# Altium PCB BaseBoard.PcbDoc (part 2 of 3) (continued)
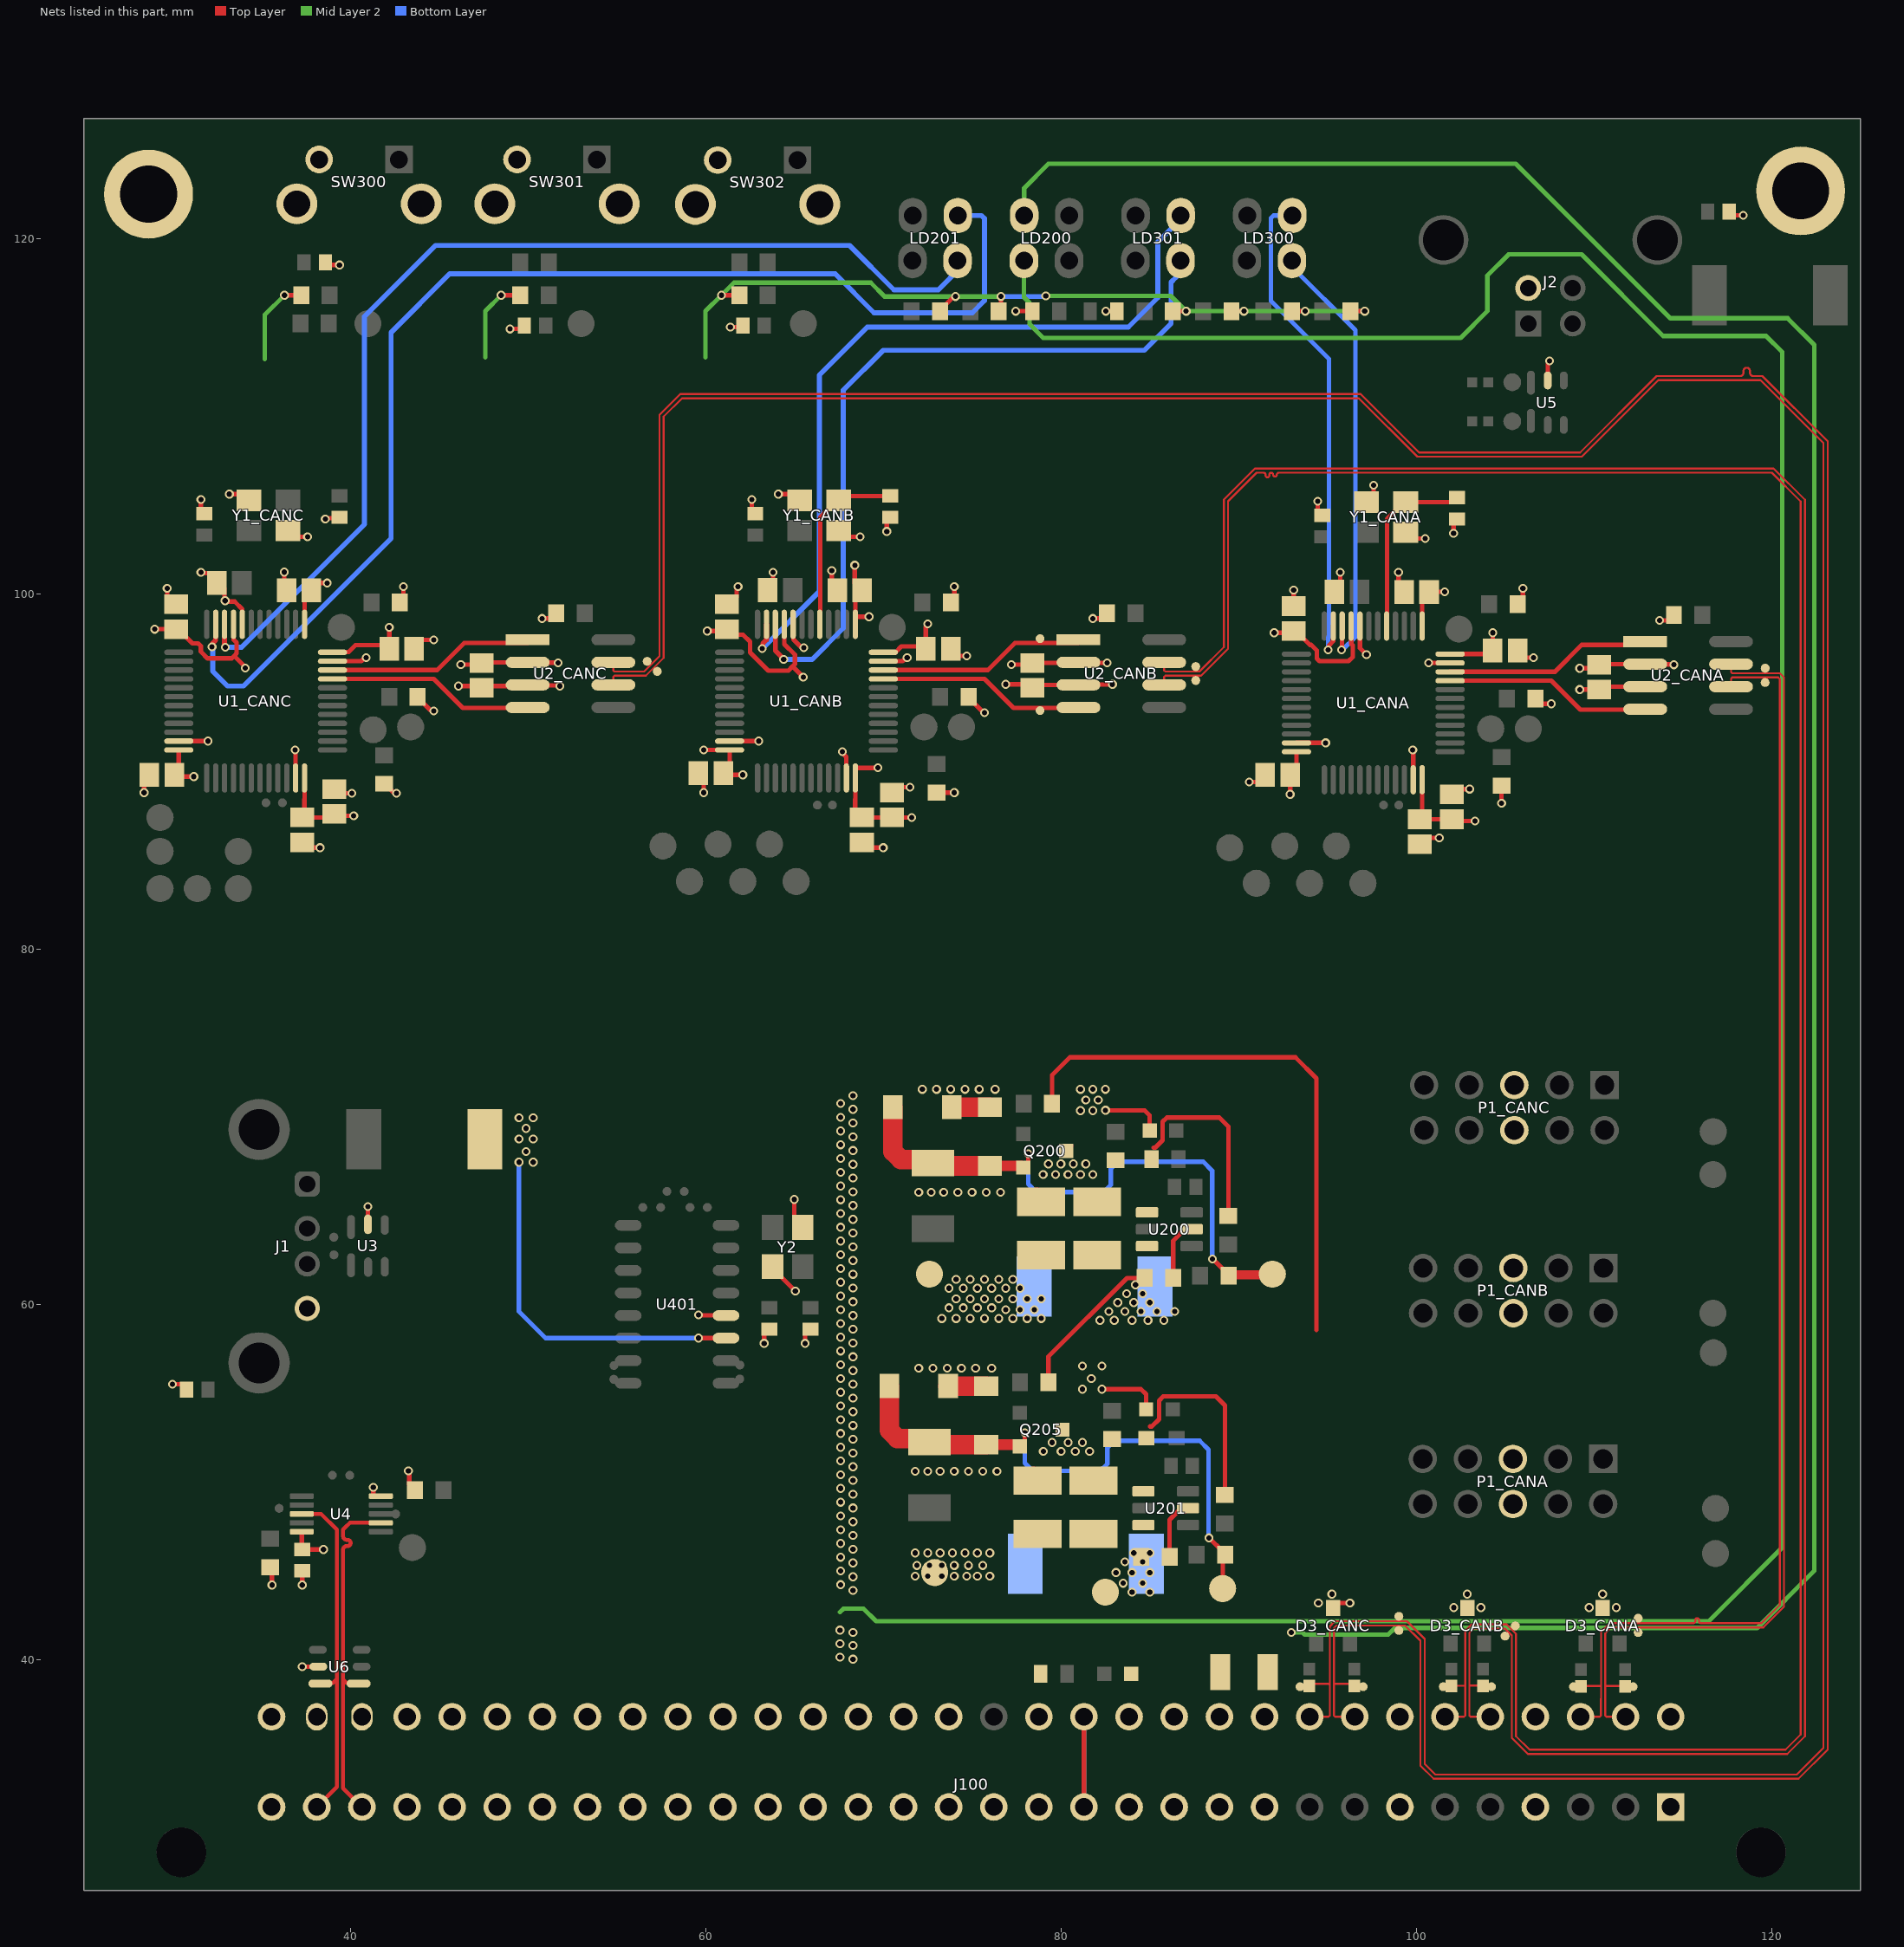
[diagram p4: the nets of this part, all layers, seen from the top]
## Part data (continued)
Y2: library part CMP-18717-000311-1, "Crystal", Case/Package=SMD/SMT, ESR (Equivalent Series Resistance)=100R, Frequency Stability=10ppm, Load Capacitance=10pF, Max Operating Temperature=70°C, Min Operating Temperature=-20°C, Package Quantity=3000, Depth=2.5mm, Frequency=12MHz, Frequency Tolerance=10ppm, Height=0.031inch, Length=3.2mm, Mount="Surface Mount", Number of Pins=4, Packaging="Tape and Reel", REACH SVHC="No SVHC", RoHS Compliant=Yes, Series=7M, Termination=SMD/SMT, Tolerance=10ppm, Width=0.098inch

## Free pads (board coordinates)
  round 5 hole 3.2: 7(28.656,122.49) 7(121.64,122.667)
  round 0.5 smd: 8(35.262,88.229) 8(36.004,48.514) 8(36.186,88.229) 8(39,50.379) 8(39.079,63.778) 8(39.088,62.782) 8(39.975,50.372) 8(42.561,48.193) 8(54.837,55.777) 8(54.843,56.551) 8(56.471,65.453) 8(56.716,96.19) 8(57.282,95.626) 8(57.472,65.453) 8(57.828,66.355) 8(58.802,66.348) 8(59.126,65.453) 8(60.102,65.453) 8(61.927,55.797) 8(61.931,56.58) 8(66.296,88.102) 8(67.145,88.102) 8(78.827,93.42) 8(78.827,97.47) 8(87.589,95.113) 8(87.589,95.895) 8(93.46,38.474) 8(97.01,38.474) 8(98.16,88.099) 8(99.017,88.099) 8(99.021,41.642) 8(99.021,42.433) 8(101.518,38.474) 8(104.232,38.474) 8(104.998,41.324) 8(105.574,41.9) 8(108.843,38.474) 8(112.199,38.474) 8(112.487,41.523) 8(112.487,42.326) 8(119.632,95) 8(119.637,95.803)

## Via types
v1: diameter 0.5, hole 0.3, Top Layer to Bottom Layer, tented both sides, 392 vias
v2: diameter 0.5, hole 0.3, Top Layer to Bottom Layer, 14 vias

## Nets (pads, with @x,y where several pads share a name; then routed paths per layer and width w, separated by ;. In a path a pad name is that pad's centre, name@x,y a point inside that pad or via, vN(x,y) a via of type N, cw(c..) or ccw(c..) an arc to the next point about the centre after c; other vN are vias at no path point)
3,3V: C4_CANA.2 C4_CANB.2 C4_CANC.2 C5_CANA.2 C5_CANB.2 C5_CANC.2 C6_CANA.2 C6_CANB.2 C6_CANC.2 C7_CANA.2 C7_CANB.2 C7_CANC.2 C8_CANA.2 C8_CANB.2 C8_CANC.2 C9_CANA.2 C9_CANB.2 C9_CANC.2 C10_CANA.2 C10_CANB.2 C10_CANC.2 D202.2 Q205.3 R1_CANA.1 R1_CANB.1 R1_CANC.1 R2_CANA.1 R2_CANB.1 R2_CANC.1 R211.1 R212.1 R302.2 R303.2 R304.2 R309.1 R310.1 R311.1 R312.1 U1_CANA.1 U1_CANA.9 U1_CANA.24 U1_CANA.36 U1_CANA.48 U1_CANB.1 U1_CANB.9 U1_CANB.24 U1_CANB.36 U1_CANB.48 U1_CANC.1 U1_CANC.9 U1_CANC.24 U1_CANC.36 U1_CANC.48 U2_CANA.3 U2_CANB.3 U2_CANC.3 | length 157.7
  Top Layer w0.254: v1(29,98) C8_CANC.2@30.2,98 30.325,98 31.127,97.198 31.444,97.198 31.592,97.049 31.592,96.741 31.977,96.356 33.331,96.356 33.47,96.495 ; C5_CANC.2@30,89.9 30.355,90.255 U1_CANC.24@30.355,91.201 ; C5_CANC.2@30.1,89.8 30.2,89.7 v1(31.2,89.7) ; U1_CANC.9@33.439,98.267 33.439,97.419 33.453,97.405 33.453,97.403 33.609,97.247 33.609,96.634 33.47,96.495 ; v1(34.093,95.807) 34.093,95.873 33.47,96.495 ; v1(36.3,116.8) 37.243,116.8 R302.2@37.247,116.805 ; C9_CANC.2@37.3,87.4 39.1,87.4 39.2,87.5 v1(40.2,87.5) ; C9_CANC.2@37.425,87.525 37.425,88.407 37.43,88.412 U1_CANC.36@37.43,89.626 ; U1_CANC.1@37.43,98.276 C7_CANC.2@37.43,100.23 ; C7_CANC.2@37.82,99.788 C7_CANC.2@37.99,99.958 ; C7_CANC.2@37.82,100.188 38.231,100.6 v1(38.7,100.6) ; U1_CANC.48@39.005,96.701 39.014,96.709 39.908,96.709 40.299,97.1 42,97.1 C6_CANC.2@42.2,96.9 v1(42.2,98.1) ; R1_CANC.1@41.9,89.3 41.95,89.3 42.434,88.816 42.563,88.816 v1(42.61,88.769) ; R2_CANC.1@43.8,94.2 43.8,94.15 44.503,93.447 44.653,93.447 v1(44.7,93.4) ; v1(46.1,94.8) 49.986,94.8 50.019,94.833 51.768,94.833 v1(51.8,94.8) ; v1(48.5,116.8) R303.2@49.5,116.8 ; v1(59.9,91.2) 61.355,91.2 61.355,90.255 C4_CANB.2@61,89.9 61.1,89.8 v1(62.1,89.8) ; v1(60.1,97.9) 61.1,97.9 C8_CANB.2@61.2,98 61.507,97.693 62.107,97.693 62.507,97.293 62.507,96.693 62.556,96.644 62.926,96.273 ; v1(60.9,116.8) 61.9,116.8 R304.2@61.905,116.805 ; 62.927,96.273 63.531,95.669 64.661,95.669 64.846,95.854 ; U1_CANB.9@64.43,98.276 64.439,98.267 64.439,97.154 65.031,96.561 65.031,96.039 64.846,95.854 ; v1(65.5,95.3) 64.946,95.854 64.846,95.854 ; C9_CANB.2@68.3,87.4 70.1,87.4 v1(71.6,87.4) ; v1(68.4,101.6) 68.4,100.608 C7_CANB.2@68.82,100.188 ; C9_CANB.2@68.425,87.525 68.425,88.407 68.43,88.412 U1_CANB.36@68.43,89.626 68.43,90.166 68.451,90.187 69.687,90.187 v1(69.7,90.2) ; U1_CANB.1@68.43,98.276 U1_CANB.1@68.43,98.679 ; C7_CANB.2@68.43,100.23 U1_CANB.1@68.43,98.679 ; C7_CANB.2@68.82,99.788 C7_CANB.2@68.99,99.958 ; v1(69.2,98.7) 68.451,98.7 U1_CANB.1@68.43,98.679 ; U1_CANB.48@70.005,96.701 70.692,96.701 71.023,97.031 72.269,97.031 C6_CANB.2@72.4,96.9 72.4,98.133 72.5,98.233 v1(72.5,98.3) ; R1_CANB.1@73,88.803 v1(74,88.803) ; R212.1@73.2,115.9 73.2,115.95 73.931,116.681 74.02,116.681 v1(74.067,116.728) ; R2_CANB.1@74.8,94.2 74.8,94.15 75.65,93.3 v1(75.7,93.3) ; R211.1@76.5,115.9 76.628,116.028 v1(76.628,116.728) ; v1(76.896,94.9) 78.2,94.9 C10_CANB.2@78.4,94.7 ; C10_CANB.2@78.6,94.7 78.765,94.865 U2_CANB.3@80.986,94.865 81.004,94.883 82.882,94.883 v1(82.9,94.9) ; Q205.3@80.091,52.942 Q205.3@80.364,53.215 ; v1(82.31,55.219) 84.51,55.219 84.796,54.934 D202.2@84.796,54.085 ; R312.1@86.3,115.9 v1(87.046,115.9) ; R311.1@89.6,115.9 v1(90.3,115.9) ; v1(92,97.8) 93,97.8 C8_CANA.2@93.1,97.9 93.225,97.9 94.007,97.118 94.087,97.118 94.407,96.798 94.407,96.349 94.556,96.2 96.19,96.2 96.422,96.432 96.422,97.092 96.339,97.176 96.339,98.167 U1_CANA.9@96.33,98.176 ; v1(92.9,88.7) C4_CANA.2@92.9,89.8 93.255,90.155 U1_CANA.24@93.255,91.101 ; R309.1@93,115.9 v1(93.746,115.9) ; R310.1@96.3,115.9 v1(97.1,115.9) ; C9_CANA.2@100.2,87.3 C5_CANA.2@102,87.3 102.1,87.2 v1(103.3,87.2) ; C9_CANA.2@100.325,87.425 100.325,88.307 100.33,88.312 U1_CANA.36@100.33,89.526 ; U1_CANA.1@100.33,98.176 C7_CANA.2@100.33,100.13 ; C7_CANA.2@100.72,99.688 C7_CANA.2@100.89,99.858 ; C7_CANA.2@100.72,100.088 100.731,100.1 v1(101.6,100.1) ; U1_CANA.48@101.905,96.601 104.101,96.601 C6_CANA.2@104.3,96.8 v1(104.3,97.8) ; v1(104.8,88.2) R1_CANA.1@104.8,89.2 ; R2_CANA.1@106.7,94.1 107,93.8 v1(107.6,93.8) ; v1(109.2,94.6) C10_CANA.2@110.3,94.6 ; C10_CANA.2@110.5,94.6 110.665,94.765 U2_CANA.3@112.886,94.765
  Mid Layer 2 w0.254: 35.2,113.2 35.2,115.7 v1(36.3,116.8) ; 47.6,113.3 47.6,115.9 v1(48.5,116.8) ; 60,113.3 60,115.9 v1(60.9,116.8) 61.6,117.5 69.3,117.5 70.072,116.728 v1(74.067,116.728) v1(76.628,116.728) ; v1(79.15,116.763) 86.183,116.763 v1(87.046,115.9) v1(90.3,115.9) v1(93.746,115.9) v1(97.1,115.9)
  Bottom Layer w0.254: v1(76.628,116.728) 79.115,116.728 v1(79.15,116.763)
  other v1: 79.01,51.719 80.01,51.719 80.81,51.719 81.61,51.719 79.51,52.219 80.41,52.219 81.21,52.219 81.21,55.219 81.71,55.819 81.21,56.519 82.31,56.519
3v3_FILT: C208.1 C209.1 L201.2 Q205.2 R214.2 TP202.1 | length 32.5
  Top Layer w0.254: Q205.2@77.591,52.092 77.791,52.092 77.964,52.265 v1(77.964,52.773) ; v1(88.326,46.851) 88.346,46.851 89.11,46.086 TP202.1@89.11,44 ; R214.2@89.241,45.805 R214.2@89.556,46.119
  Top Layer w0.6: C209.1@75.8,52.092 Q205.2@77.591,52.092
  Top Layer w1.1: C208.1@70.35,55.4 70.35,52.894 70.794,52.45 72.4,52.45 L201.2@72.6,52.25 ; L201.2@73.358,52.092 C209.1@75.8,52.092
  Bottom Layer w0.254: v1(77.964,52.773) 77.964,51.065 78.41,50.619 82.21,50.619 82.61,51.019 82.61,51.919 83.01,52.319 87.81,52.319 88.31,51.819 88.31,46.867 v1(88.326,46.851)
3v3_VIN: C206.2 C207.2 D204.1 TP204.1 U201.3
  other v1: 71.8,44.7 72.5,44.7 73.3,44.7 74,44.7 74.7,44.7 75.3,44.7 76,44.7 71.9,45.3 72.6,45.3 73.3,45.3 74,45.3 74.8,45.3 75.6,45.3 71.8,46 72.5,46 73.2,46 73.9,46 74.6,46 75.3,46 76,46
5v: C15.2 D1.2 D201.2 LD200.3 Q200.3 U4.10 U401.11 | length 201.2
  Top Layer w0.254: U4.10@36.75,47.2 U4.10@37.021,47.2 ; C15.2@37.2,46.2 37.275,46.275 U4.10@37.275,47.2 ; C15.2@37.3,46.2 v1(38.5,46.2) ; v1(59.6,58.1) 59.605,58.095 U401.11@61.15,58.095 ; Q200.3@80.291,68.642 Q200.3@80.564,68.915 ; v1(82.51,70.919) 84.71,70.919 84.996,70.634 D201.2@84.996,69.785
  Mid Layer 2 w0.254: 67.564,42.672 67.766,42.874 68.886,42.874 69.596,42.164 116.464,42.164 120.6,46.3 120.6,113.6 119.7,114.5 113.9,114.5 109.3,119.1 105.2,119.1 104,117.9 104,115.9 102.5,114.4 79,114.4 78.231,115.169 78.231,116.369 77.92,116.68 LD200.3@77.92,118.746
  Bottom Layer w0.254: v1(49.5,68) 49.5,59.6 51,58.1 v1(59.6,58.1)
  other v1: 79,67.3 79.7,67.3 80.4,67.3 81.1,67.3 81.8,67.3 79.3,67.9 80,67.9 80.7,67.9 81.4,67.9 50.3,68 49.9,68.6 49.5,69.3 50.3,69.3 49.9,69.9 49.5,70.5 50.3,70.5 81.1,70.9 81.8,70.9 81.4,71.5 82.1,71.5 81.1,72.1 81.8,72.1 82.5,72.1
5v_FILT: C203.1 C204.1 L200.2 Q200.2 R201.2 TP201.1 | length 32.5
  Top Layer w0.254: Q200.2@77.791,67.792 77.991,67.792 78.164,67.965 v1(78.164,68.473) ; v1(88.526,62.551) 88.546,62.551 R201.2@89.31,61.786
  Top Layer w0.5: R201.2@89.441,61.505 89.589,61.652 91.852,61.652 TP201.1@91.9,61.7
  Top Layer w0.6: C204.1@76,67.792 Q200.2@77.791,67.792
  Top Layer w1.1: C203.1@70.55,71.1 70.55,68.594 70.994,68.15 72.6,68.15 L200.2@72.8,67.95 ; L200.2@73.558,67.792 C204.1@76,67.792
  Bottom Layer w0.254: v1(78.164,68.473) 78.164,66.765 78.61,66.319 82.41,66.319 82.81,66.719 82.81,67.619 83.21,68.019 88.01,68.019 88.51,67.519 88.51,62.567 v1(88.526,62.551)
5v_VIN: C201.2 C202.2 D203.1 TP200.1 U200.3
  other v1: 73.3,59.2 74.1,59.2 74.9,59.2 75.7,59.2 76.5,59.2 77.3,59.2 78.1,59.2 78.9,59.2 76.9,59.7 77.7,59.7 78.5,59.7 73.7,59.8 74.5,59.8 75.3,59.8 76.1,59.8 74.1,60.3 74.9,60.3 75.7,60.3 76.5,60.3 77.3,60.3 78.1,60.3 78.9,60.3 73.7,60.9 74.5,60.9 75.3,60.9 76.1,60.9 76.9,60.9 77.7,60.9 74.1,61.4 74.9,61.4 75.7,61.4 76.5,61.4 77.3,61.4
12V_FUSED: D200.2 D203.2 D204.2 F200.2 LD200.1 R200.2 R203.1 R213.2 R216.1 TP203.1 | length 191
  Top Layer w0.254: R216.1@79.3,55.6 79.3,57.062 83.717,61.479 R200.2@84.717,61.479 ; R203.1@79.5,71.3 79.5,72.9 80.5,73.9 93.2,73.9 94.376,72.724 94.376,58.55
  Mid Layer 2 w0.254: LD200.1@77.936,121.286 77.936,122.836 79.3,124.2 105.6,124.2 114.3,115.5 120.9,115.5 122.4,114 122.4,45 119.179,41.779 98.799,41.779 98.42,41.4 93.722,41.4 93.595,41.527 92.97,41.527 v1(92.964,41.533)
  other v1: 84,43.8 85,43.8 83.5,44.3 84.6,44.3 83.1,44.9 84,44.9 85,44.9 83.6,45.5 84.6,45.5 84.1,46 85,46 82.2,59.1 83,59.1 84,59.1 84.9,59.1 85.8,59.1 82.7,59.6 83.6,59.6 84.5,59.6 85.4,59.6 86.4,59.6 83.2,60.1 84.1,60.1 85,60.1 83.7,60.6 84.6,60.6 84.2,61.1
12V_UNPROTECTED: F200.1 J100.A11 J100.A12 J100.C11 J100.C12 | length 0.2
  Bottom Layer w1.27: J100.C12@86.38,36.78 J100.C12@86.456,36.78 ; J100.C11@88.92,36.78 J100.C11@88.92,36.856
24V_UNPROTECTED: J100.A14 J100.C14 | length 10.2
  Top Layer w0.254: J100.A14@81.3,31.7 J100.C14@81.3,36.78
  Bottom Layer w0.254: J100.A14@81.3,31.7 J100.C14@81.3,36.78
CAN1_N: J100.C3 pad.8@108.843,38.474 pad.8@112.487,42.326 pad.8@119.632,95 R7_CANA.2 U2_CANA.6 | length 73.5
  Top Layer w0.11: J100.C3@109.24,36.78 110.327,36.78 110.391,36.845 110.391,37.791 110.397,37.796 110.397,38.514 ; R7_CANA.2@109.271,38.489 109.296,38.514 110.397,38.514 ; U2_CANA.6@117.714,94.765 117.714,95.217 117.778,95.281 120.365,95.281 120.457,95.189 120.457,43.074 119.43,42.047 118.342,42.047 116.023,42.047 cw(c116.023,42.158) 115.913,42.158 115.913,42.228 ccw(c115.808,42.228) 115.808,42.334 ccw(c115.808,42.228) 115.703,42.228 115.703,42.158 cw(c115.592,42.158) 115.592,42.047 115.537,42.047 110.881,42.047 110.397,41.563 110.397,38.519 110.397,38.514
CAN1_P: J100.C2 pad.8@112.199,38.474 pad.8@112.487,41.523 pad.8@119.637,95.803 R6_CANA.2 U2_CANA.7 | length 73.5
  Top Layer w0.11: 110.64,38.514 111.735,38.514 R6_CANA.2@111.76,38.489 ; J100.C2@111.78,36.78 110.693,36.78 110.629,36.845 110.629,37.693 110.634,37.698 110.634,41.464 110.98,41.81 119.529,41.81 120.694,42.975 120.694,95.288 120.463,95.519 117.778,95.519 117.714,95.583 U2_CANA.7@117.714,96.035
CAN1_RX_CANA: U1_CANA.45 U2_CANA.4 | length 11.7
  Top Layer w0.254: U1_CANA.45@101.905,95.101 107.599,95.101 109.232,93.468 U2_CANA.4@112.886,93.468
CAN1_RX_CANB: pad.8@78.827,93.42 U1_CANB.45 U2_CANB.4 | length 11.7
  Top Layer w0.254: U1_CANB.45@70.005,95.201 75.699,95.201 77.332,93.568 U2_CANB.4@80.986,93.568
CAN1_RX_CANC: U1_CANC.45 U2_CANC.4 | length 11.7
  Top Layer w0.254: U1_CANC.45@39.005,95.201 44.699,95.201 46.332,93.568 U2_CANC.4@49.986,93.568
CAN1_TX_CANA: U1_CANA.46 U2_CANA.1 | length 11.6
  Top Layer w0.254: U1_CANA.46@101.905,95.601 107.801,95.601 109.321,97.121 U2_CANA.1@112.886,97.121
CAN1_TX_CANB: pad.8@78.827,97.47 U1_CANB.46 U2_CANB.1 | length 11.6
  Top Layer w0.254: U1_CANB.46@70.005,95.701 75.901,95.701 77.421,97.221 U2_CANB.1@80.986,97.221
CAN1_TX_CANC: U1_CANC.46 U2_CANC.1 | length 11.6
  Top Layer w0.254: U1_CANC.46@39.005,95.701 44.901,95.701 46.421,97.221 U2_CANC.1@49.986,97.221
CAN2_N: J100.C6 pad.8@87.589,95.113 pad.8@101.518,38.474 pad.8@105.574,41.9 R7_CANB.2 U2_CANB.6 | length 150
  Top Layer w0.11: U2_CANB.6@85.814,94.865 85.814,95.317 85.878,95.381 87.888,95.381 89.408,96.901 89.408,105.201 91.014,106.807 91.143,106.807 91.409,106.807 cw(c91.409,106.697) 91.519,106.697 91.519,106.654 ccw(c91.624,106.654) 91.624,106.548 ccw(c91.624,106.654) 91.73,106.654 91.73,106.702 cw(c91.835,106.702) 91.835,106.807 cw(c91.835,106.702) 91.94,106.702 91.94,106.697 ccw(c92.045,106.697) 92.045,106.591 ccw(c92.045,106.697) 92.15,106.697 cw(c92.261,106.697) 92.261,106.807 93.198,106.807 120.015,106.807 121.636,105.186 121.636,35.784 120.778,34.926 106.375,34.926 105.611,35.69 105.611,41.455 105.086,41.98 103.112,41.98 102.751,41.619 102.751,38.529 ; J100.C6@101.62,36.78 102.687,36.78 102.751,36.845 102.751,37.249 102.751,38.529 ; R7_CANB.2@102.181,38.303 102.181,38.46 102.251,38.529 102.751,38.529
  Top Layer w0.127: U2_CANB.6@85.814,94.865 86.568,94.865 U2_CANB.6@86.797,95.094
CAN2_P: J100.C5 pad.8@87.589,95.895 pad.8@104.232,38.474 pad.8@104.998,41.324 R6_CANB.2 U2_CANB.7 | length 150
  Top Layer w0.11: U2_CANB.7@85.715,96.135 85.814,96.037 85.814,95.683 85.878,95.619 87.79,95.619 89.171,96.999 89.171,105.3 90.915,107.044 120.113,107.044 121.873,105.285 121.873,35.685 120.877,34.689 106.277,34.689 105.374,35.592 105.374,41.357 104.988,41.742 103.21,41.742 102.989,41.521 102.989,38.539 ; R6_CANB.2@103.489,38.219 103.759,38.489 R6_CANB.2@103.759,38.514 103.734,38.539 102.989,38.539 ; J100.C5@104.16,36.78 103.053,36.78 102.989,36.845 102.989,37.347 102.989,38.539
  Top Layer w0.127: U2_CANB.7@85.814,96.135 U2_CANB.7@86.568,96.135
CAN3_N: J100.C9 pad.8@57.282,95.626 pad.8@93.46,38.474 pad.8@99.021,42.433 R7_CANC.2 U2_CANC.6 | length 205.7
  Top Layer w0.11: U2_CANC.6@54.814,94.865 54.814,95.317 54.878,95.381 56.642,95.381 57.641,96.381 57.641,109.965 58.674,110.998 96.774,110.998 100.059,107.713 109.318,107.713 113.62,112.014 119.38,112.014 122.915,108.479 122.915,35.031 121.412,33.528 101.075,33.528 100.473,34.13 100.473,41.157 99.471,42.159 95.417,42.159 95.131,41.873 95.131,38.576 ; R7_CANC.2@93.98,38.641 95.067,38.641 95.131,38.576 ; J100.C9@94,36.78 95.067,36.78 95.131,36.845 95.131,37.191 95.131,38.576
  Top Layer w0.127: U2_CANC.6@54.814,94.865 U2_CANC.6@55.568,94.865 ; J100.C9@94,36.78 J100.C9@94.211,36.991
CAN3_P: J100.C8 pad.8@56.716,96.19 pad.8@97.01,38.474 pad.8@99.021,41.642 R6_CANC.2 U2_CANC.7 | length 205.7
  Top Layer w0.11: U2_CANC.7@54.814,96.135 54.814,95.683 54.878,95.619 56.544,95.619 57.404,96.479 57.404,110.064 58.576,111.235 96.872,111.235 100.158,107.95 109.22,107.95 113.521,112.251 115.57,112.251 118.232,112.251 ccw(c118.232,112.434) 118.414,112.434 118.414,112.535 cw(c118.596,112.535) 118.596,112.718 cw(c118.596,112.535) 118.778,112.535 118.778,112.434 ccw(c118.96,112.434) 118.96,112.251 119.38,112.251 119.478,112.251 123.152,108.578 123.152,34.932 121.51,33.291 100.977,33.291 100.236,34.032 100.236,41.059 99.373,41.922 95.516,41.922 95.369,41.775 95.369,38.576 ; R6_CANC.2@96.52,38.641 95.433,38.641 95.369,38.576 ; J100.C8@96.54,36.78 95.433,36.78 95.369,36.845 95.369,37.289 95.369,38.576
CANA_LED_RX: LD300.2 U1_CANA.11 | length 28.5
  Top Layer w0.254: LD300.2@93.017,121.286 LD300.2@93.074,121.343 ; v1(95.037,96.831) 95.084,96.878 95.084,97.08 95.321,97.317 95.321,98.167 U1_CANA.11@95.33,98.176
  Bottom Layer w0.254: LD300.2@93.017,121.286 91.968,121.286 91.819,121.137 91.819,116.481 95.087,113.213 95.087,97.589 95.037,97.539 v1(95.037,96.831)
CANA_LED_TX: LD300.4 U1_CANA.10 | length 25.3
  Top Layer w0.254: LD300.4@93,118.546 LD300.4@93,118.746 ; v1(95.791,96.831) 95.821,96.861 95.821,98.167 U1_CANA.10@95.83,98.176
  Bottom Layer w0.254: LD300.4@93,118.746 93,118.4 96.569,114.831 96.569,97.559 95.841,96.831 v1(95.791,96.831)
CANB_LED_RX: LD301.2 U1_CANB.11 | length 44.4
  Top Layer w0.254: LD301.2@86.744,121.286 LD301.2@86.744,121.486
  Top Layer w0.286: v1(63.187,96.904) 63.228,96.945 63.228,97.202 63.427,97.401 63.427,98.273 U1_CANB.11@63.43,98.276
  Bottom Layer w0.286: v1(63.187,96.904) 66.4,100.116 66.4,112.3 69.1,115 83.8,115 85.459,116.659 85.459,119.801 86.744,121.086 LD301.2@86.744,121.286
CANB_LED_TX: LD301.4 U1_CANB.10 | length 43.4
  Top Layer w0.286: U1_CANB.10@63.93,98.276 63.93,96.79 64.4,96.32 v1(64.4,96.3)
  Bottom Layer w0.286: v1(64.4,96.3) 66,96.3 67.753,98.053 67.753,111.453 70,113.7 84.7,113.7 86.2,115.2 86.2,117.528 86.476,117.805 86.476,118.495 LD301.4@86.728,118.746
CANC_LED_RX: LD201.2 U1_CANC.11 | length 70.1
  Top Layer w0.286: v1@32.265,97.213 32.427,97.375 32.427,98.273 U1_CANC.11@32.43,98.276
  Bottom Layer w0.286: v1(32.225,97.001) 32.265,96.96 32.265,95.635 33.1,94.8 34,94.8 42.3,103.1 42.3,114.7 45.6,118 67.3,118 69.486,115.814 75.014,115.814 75.7,116.5 75.7,121.118 75.532,121.286 LD201.2@74.2,121.286
CANC_LED_TX: LD201.4 U1_CANC.10 | length 60.8
  Top Layer w0.286: U1_CANC.10@32.93,98.276 32.933,98.273 32.933,97.091 32.978,97.045 v1(32.978,96.987)
  Bottom Layer w0.286: v1(32.978,96.987) 33.887,96.987 40.8,103.9 40.8,115.6 44.8,119.6 68.1,119.6 70.6,117.1 73.1,117.1 73.781,117.781 73.781,117.789 74.183,118.19 LD201.4@74.183,118.746
CARRIER_USB_IN_N: J100.A31 U4.8 U6.3 | length 19.6
  Top Layer w0.221: U4.8@37.275,48.2 38.363,48.2 39.251,47.312 39.251,38.921 ; J100.A31@38.12,31.7 39.251,32.831 39.251,38.921 ; U6.3@38.26,38.585 U6.3@38.325,38.65 38.369,38.694 39.024,38.694 39.251,38.921
CARRIER_USB_IN_P: J100.A30 U4.2 U6.4 | length 19.6
  Top Layer w0.221: U6.4@40.185,38.65 40.141,38.694 39.799,38.694 39.599,38.894 ; J100.A30@40.66,31.7 39.599,32.761 39.599,38.894 ; U4.2@41.725,47.7 39.978,47.7 39.768,47.49 39.599,47.32 39.599,46.957 ccw(c39.819,46.957) 39.819,46.736 39.858,46.736 cw(c39.858,46.566) 40.028,46.566 cw(c39.858,46.566) 39.858,46.395 39.819,46.395 ccw(c39.819,46.175) 39.599,46.175 39.599,45.724 39.599,38.894
EN_3V3: R213.1 U201.5 | length 3.2
  Top Layer w0.254: R213.1@86.117,45.779 86.117,47.873 86.599,48.355 U201.5@86.988,48.355
EN_5V: R200.1 U200.5 | length 3.2
  Top Layer w0.254: R200.1@86.317,61.479 86.317,63.573 86.799,64.055 U200.5@87.188,64.055
GND: C1_CANA.1 C1_CANB.1 C1_CANC.1 C2_CANA.2 C2_CANB.2 C2_CANC.2 C3_CANA.2 C3_CANB.2 C3_CANC.2 C4_CANA.1 C4_CANB.1 C4_CANC.1 C5_CANA.1 C5_CANB.1 C5_CANC.1 C6_CANA.1 C6_CANB.1 C6_CANC.1 C7_CANA.1 C7_CANB.1 C7_CANC.1 C8_CANA.1 C8_CANB.1 C8_CANC.1 C9_CANA.1 C9_CANB.1 C9_CANC.1 C10_CANA.1 C10_CANB.1 C10_CANC.1 C11.1 C12.1 C13.1 C14.1 C15.1 C201.1 C202.1 C203.2 C204.2 C206.1 C207.1 C208.2 C209.2 C309.2 C310.2 C311.2 D3_CANA.3 D3_CANB.3 D3_CANC.3 J1.4 J2.4 J100.A1 J100.A4 J100.A7 J100.A10 J100.A13 J100.A15 J100.A32 J100.C1 J100.C4 J100.C7 J100.C10 J100.C13 J100.C15 J100.C32 P1_CANA.5 P1_CANA.6 P1_CANB.5 P1_CANB.6 P1_CANC.5 P1_CANC.6 pad.7 R3_CANA.1 R3_CANB.1 R3_CANC.1 R4.1 R4_CANA.1 R4_CANB.1 R4_CANC.1 R5.1 R202.1 R206.1 R207.1 R208.1 R209.1 R210.1 R215.1 R217.2 R218.2 SW300.2 SW300.3 SW300.4 SW301.2 SW301.3 SW301.4 SW302.2 SW302.3 SW302.4 U1_CANA.8 U1_CANA.23 U1_CANA.35 U1_CANA.47 U1_CANB.8 U1_CANB.23 U1_CANB.35 U1_CANB.47 U1_CANC.8 U1_CANC.23 U1_CANC.35 U1_CANC.47 U2_CANA.2 U2_CANB.2 U2_CANC.2 U3.2 U4.5 U5.2 U6.2 U200.1 U201.1 U401.12 Y1_CANA.2 Y1_CANA.4 Y1_CANB.2 Y1_CANB.4 Y1_CANC.2 Y1_CANC.4 Y2.2 Y2.4 | length 129
  Top Layer w0.254: v1(28.4,88.8) 28.4,89.5 C5_CANC.1@28.7,89.8 ; v1(29.7,100.3) 29.7,99.823 30.123,99.4 C8_CANC.1@30.2,99.4 ; v1(30,55.5) 30.552,55.5 30.8,55.252 C13.1@30.8,55.2 ; U1_CANC.23@30.355,91.7 v1(32,91.7) ; v1(31.6,101.2) 31.667,101.2 31.719,101.148 32.077,101.148 32.923,100.302 32.923,99.642 v1(32.962,99.604) 33.009,99.557 33.498,99.557 33.921,99.134 33.921,98.284 U1_CANC.8@33.93,98.276 ; v1(31.6,105.3) 31.6,104.7 C3_CANC.2@31.8,104.5 ; v1(33.2,105.6) 33.95,105.6 Y1_CANC.2@34.3,105.25 ; R5.1@35.5,45.2 35.6,45.1 v1(35.6,44.2) ; v1(36.288,101.212) 36.288,100.32 C7_CANC.1@36.42,100.188 ; Y1_CANC.4@36.5,103.55 36.85,103.2 v1(37.6,103.2) ; v1(36.9,91.2) 36.921,91.179 36.921,89.634 U1_CANC.35@36.93,89.626 ; v2(37.3,39.6) 37.306,39.606 U6.2@38.209,39.606 ; v1(37.3,44.2) C15.1@37.3,45 ; C9_CANC.1@37.3,86 37.6,85.7 v1(38.3,85.7) ; v1(38.6,104.2) 38.647,104.247 39.253,104.247 39.3,104.2 C2_CANC.2@39.4,104.3 ; C309.2@38.61,118.659 38.769,118.5 v1(39.4,118.5) ; U1_CANC.47@39.005,96.201 40.634,96.201 40.833,96.4 v1(40.9,96.4) ; C4_CANC.1@39.1,89 39.331,88.769 v1(40.1,88.769) ; U3.2@41,64.5 v2(41,65.5) ; v2(41.3,49.7) 41.3,49.223 41.323,49.2 U4.5@41.725,49.2 ; R4_CANC.1@42.8,99.5 43,99.7 v1(43,100.4) ; v2(43.28,50.622) 43.28,50.555 43.331,50.504 43.331,49.853 R4.1@43.654,49.53 ; C6_CANC.1@43.6,96.9 43.6,96.977 44.023,97.4 v1(44.7,97.4) ; v1(46.228,96.012) 47.312,96.012 C10_CANC.1@47.4,96.1 47.435,96.135 U2_CANC.2@49.986,96.135 50.004,96.117 51.683,96.117 v1(51.7,96.1) ; v1(49,114.9) 49.6,114.9 C310.2@49.8,115.1 ; v2(50.8,98.6) 51.3,98.6 R3_CANC.1@51.6,98.9 ; v1(59.6,59.4) 59.617,59.383 61.133,59.383 U401.12@61.15,59.365 ; C4_CANB.1@59.6,89.9 59.9,89.6 v1(59.9,88.8) ; C8_CANB.1@61.2,99.4 61.325,99.4 61.748,99.823 61.748,100.25 61.831,100.333 v1(61.831,100.4) ; U1_CANB.23@61.355,91.7 v1(63,91.7) ; v1(61.4,115) 62,115 C311.2@62.1,115.1 ; v1(62.6,105.3) 62.6,104.7 C3_CANB.2@62.8,104.5 ; v2(63.3,57.8) 63.3,58.352 63.548,58.6 C12.1@63.6,58.6 ; C1_CANB.1@63.5,100.2 63.8,100.5 v1(63.8,101.2) ; Y2.4@63.773,62.127 63.773,62.027 65.053,60.747 v1(65.053,60.74) ; v1(64.1,105.6) 64.95,105.6 Y1_CANB.2@65.3,105.25 ; U1_CANB.8@64.93,98.276 64.939,98.267 64.939,97.417 65.355,97.001 65.478,97.001 v1(65.525,96.954) ; v2(65,65.9) 65,65.269 65,64.8 Y2.2@65.473,64.327 ; v1(65.6,57.8) 65.6,58.352 65.848,58.6 C11.1@65.9,58.6 ; v1(67.1,101.3) 67.1,100.508 C7_CANB.1@67.42,100.188 ; Y1_CANB.4@67.5,103.55 67.85,103.2 v1(68.7,103.2) ; v1(67.7,91.1) 67.7,91.033 67.921,90.812 67.921,89.634 U1_CANB.35@67.93,89.626 ; C9_CANB.1@68.5,86 68.8,85.7 v1(70,85.7) ; U1_CANB.47@70.005,96.201 70.014,96.209 71.089,96.209 71.279,96.4 v1(71.346,96.4) ; C5_CANB.1@70.1,88.8 70.4,89.1 v1(71.5,89.1) ; v1(70.2,103.5) 70.2,104.1 C2_CANB.2@70.4,104.3 ; C6_CANB.1@73.8,96.9 74.2,96.5 v1(74.7,96.5) ; R4_CANB.1@73.8,99.5 74,99.7 v1(74,100.4) ; v1(77.216,96.012) 78.312,96.012 C10_CANB.1@78.4,96.1 v1(82.6,96.1) ; v1(77.454,115.9) R210.1@78.4,115.9 ; v2(81.8,98.6) 82.3,98.6 R3_CANB.1@82.6,98.9 ; v1(82.529,115.9) R209.1@83.15,115.9 ; 85.01,53.119 85.11,53.119 85.523,53.532 85.523,54.575 85.76,54.812 88.717,54.812 89.229,54.301 R215.1@89.229,49.27 R215.1@89.229,49.17 ; 85.21,68.819 85.31,68.819 85.723,69.232 85.723,70.275 85.96,70.512 88.917,70.512 89.429,70.001 R202.1@89.429,64.97 R202.1@89.429,64.87 ; v1(90.6,89.4) 91.1,89.4 C4_CANA.1@91.5,89.8 ; C8_CANA.1@93.1,99.3 v1(93.1,100.2) ; U1_CANA.23@93.255,91.601 v1(94.9,91.6) ; v1(94.456,105.2) 94.456,104.644 C3_CANA.2@94.7,104.4 ; D3_CANC.3@95.316,43.148 95.348,43.18 v1(96.266,43.18) ; C1_CANA.1@95.4,100.1 95.718,100.418 v1(95.718,101.2) ; U1_CANA.8@96.83,98.176 96.83,96.934 v1(97.198,96.565) ; Y1_CANA.2@97.2,105.15 97.6,105.55 v1(97.6,106.1) ; v1(99,101.2) 99,100.408 C7_CANA.1@99.32,100.088 ; Y1_CANA.4@99.4,103.45 99.75,103.1 v1(100.5,103.1) ; v1(99.8,91.2) 99.83,91.17 U1_CANA.35@99.83,89.526 ; C9_CANA.1@100.2,85.9 100.547,86.247 v1(101.293,86.247) ; v1(100.7,96.1) U1_CANA.47@101.905,96.101 ; C5_CANA.1@102,88.7 102.3,89 v1(103,89) ; v1(102.1,103.4) 102.1,104 C2_CANA.2@102.3,104.2 ; D3_CANB.3@102.854,42.926 D3_CANB.3@102.87,42.91 ; C6_CANA.1@105.7,96.8 106.1,96.4 v1(106.6,96.4) ; R4_CANA.1@105.7,99.4 106,99.7 v1(106,100.3) ; U5.2@107.4,112 107.4,112.933 107.5,113.033 v2(107.5,113.1) ; v1(109.2,95.8) 110.1,95.8 C10_CANA.1@110.3,96 110.335,96.035 112.7,96.035 112.718,96.018 114.482,96.018 v1(114.5,96) ; D3_CANA.3@110.474,42.926 D3_CANA.3@110.49,42.91 ; v2(113.7,98.5) 114.2,98.5 R3_CANA.1@114.5,98.8 ; C14.1@117.6,121.5 117.8,121.3 v1(118.4,121.3)
  Top Layer w1.1: C208.2@73.65,55.4 75.667,55.4 75.675,55.392 C209.2@75.8,55.392 ; C203.2@73.85,71.1 75.867,71.1 75.875,71.092 C204.2@76,71.092 ; C207.1@78.442,50.319 C207.1@78.688,50.073 ; C202.1@78.642,66.019 C202.1@78.888,65.773
  other v1: 68.3,40.021 67.564,40.132 68.3,40.795 67.564,40.894 68.3,41.533 67.564,41.656 102.108,42.926 103.632,42.926 109.728,42.926 111.252,42.926 94.488,43.18 68.3,43.891 67.6,44.217 68.3,44.664 67.6,44.99 68.3,45.438 67.6,45.764 68.3,46.212 67.6,46.538 68.3,46.986 67.6,47.312 68.3,47.76 67.6,48.086 68.3,48.533 67.6,48.86 68.3,49.307 67.6,49.633 68.3,50.081 67.6,50.407 71.8,50.6 72.5,50.6 73.2,50.6 74,50.6 74.8,50.6 75.6,50.6 76.4,50.6 68.3,50.855 67.6,51.181 68.3,51.629 67.6,51.955 68.3,52.402 67.6,52.729 68.3,53.176 67.6,53.502 68.3,53.95 67.6,54.276 68.3,54.724 67.6,55.05 68.3,55.498 67.6,55.824 68.3,56.271 72,56.4 72.8,56.4 73.6,56.4 74.4,56.4 75.2,56.4 76.1,56.4 67.6,56.598 68.3,57.045 67.6,57.371 68.3,57.819 67.6,58.145 68.3,58.593 67.6,58.919 68.3,59.367 67.6,59.693 68.3,60.14 67.6,60.467 68.3,60.914 67.6,61.24 68.3,61.688 67.6,62.014 68.3,62.462 67.6,62.788 68.3,63.236 67.6,63.562 68.3,64.01 67.6,64.336 68.3,64.783 67.6,65.109 68.3,65.557 67.6,65.883 72,66.3 72.7,66.3 73.4,66.3 74.2,66.3 75,66.3 75.8,66.3 76.6,66.3 68.3,66.331 67.6,66.657 68.3,67.105 67.6,67.431 68.3,67.879 67.6,68.205 68.3,68.652 67.6,68.979 68.3,69.426 67.6,69.752 68.3,70.2 67.6,70.526 68.3,70.974 67.6,71.3 68.3,71.748 72.2,72.1 73,72.1 73.8,72.1 74.6,72.1 75.4,72.1 76.3,72.1
  other v2: 95.25,43.688 102.87,43.688 110.49,43.688
GPIO_L_0: J100.A16
GPIO_L_1: J100.A17
GPIO_L_2: J100.A18
GPIO_L_3: J100.A19
GPIO_L_4: J100.A20
GPIO_L_5: J100.A21
GPIO_L_6: J100.A22
GPIO_L_7: J100.A23
GPIO_L_8: J100.A24
GPIO_L_9: J100.A25
GPIO_L_10: J100.A26
GPIO_L_11: J100.A27
GPIO_L_12: J100.A28
GPIO_L_13: J100.A29
GPIO_R_1: J100.C17
GPIO_R_2: J100.C18
GPIO_R_3: J100.C19
GPIO_R_4: J100.C20
GPIO_R_5: J100.C21
GPIO_R_6: J100.C22
GPIO_R_7: J100.C23
GPIO_R_8: J100.C24
GPIO_R_9: J100.C25
GPIO_R_10: J100.C26
GPIO_R_11: J100.C27
GPIO_R_12: J100.C28
GPIO_R_13: J100.C29
GPIO_R_14: J100.C30
GPIO_R_15: J100.C31
NetC2_CANA_1: C2_CANA.1 U1_CANA.5 Y1_CANA.1 | length 10.5
  Top Layer w0.254: U1_CANA.5@98.33,98.176 98.33,98.863 98.353,98.886 98.353,104.203 Y1_CANA.1@99.35,105.2 ; Y1_CANA.1@99.4,105.15 101.975,105.15 102.225,105.4 C2_CANA.1@102.3,105.4
NetC2_CANB_1: C2_CANB.1 U1_CANB.5 Y1_CANB.1 | length 10.5
  Top Layer w0.254: U1_CANB.5@66.43,98.276 66.43,98.963 66.453,98.986 66.453,104.303 67.65,105.5 C2_CANB.1@70.4,105.5